# KiCad board reform2-keyboard3.kicad_pcb
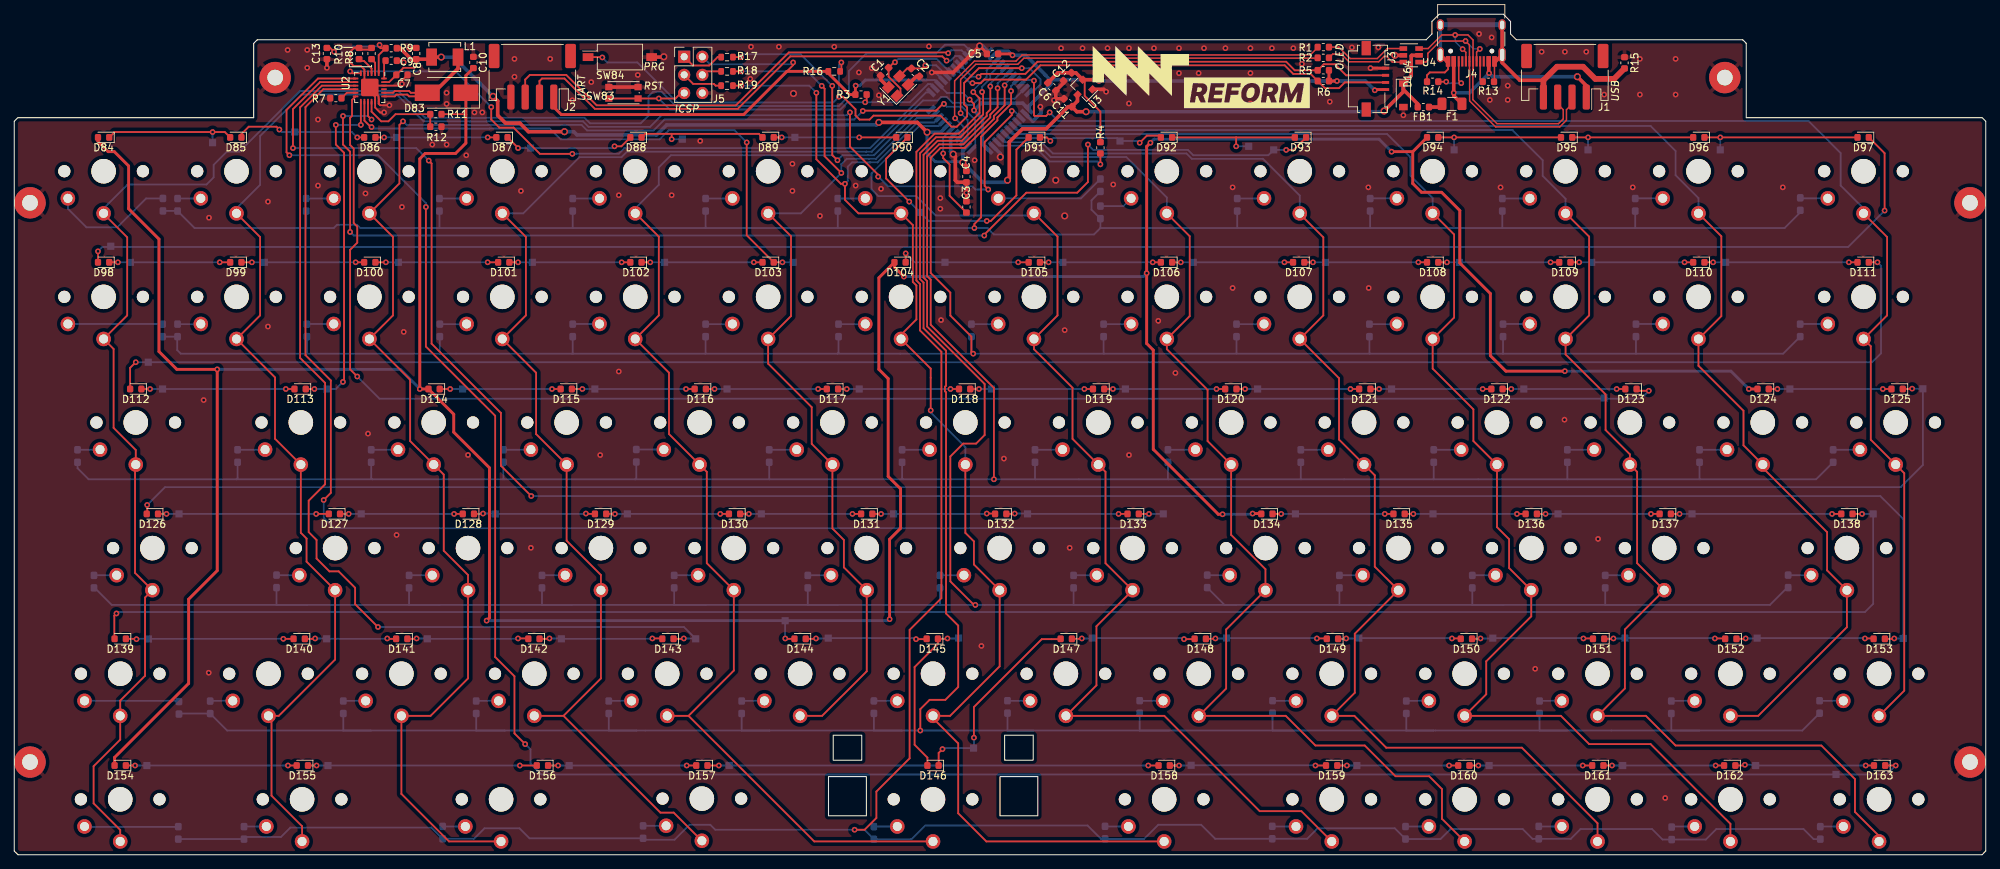
[diagram p0: board, top side]
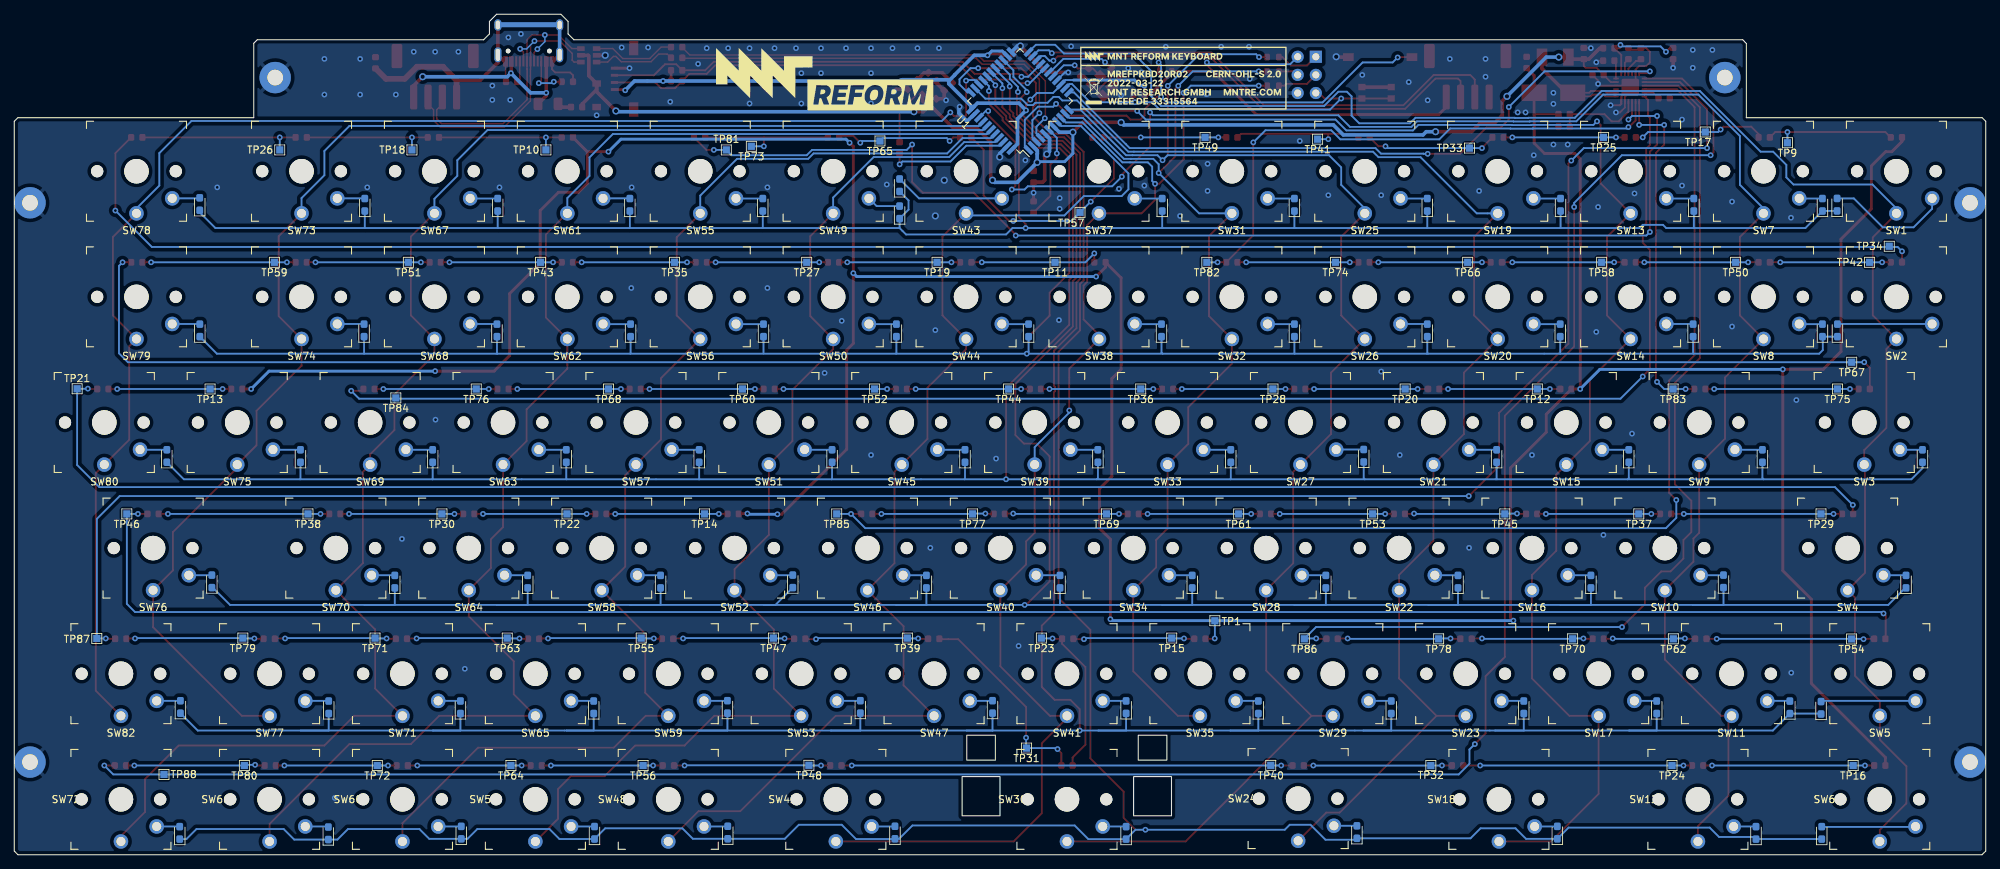
[diagram p1: board, bottom side, seen from below]

Outline 275.9 x 117.75 mm; copper layers: Top, Bottom. Coordinates in mm from the lower left corner of the outline.
Outline path: rectangle 113.95,10.95 119.25,5.45 ; rectangle 114.6,16.75 118.6,13.25 ; rectangle 137.95,10.95 143.25,5.45 ; rectangle 138.6,16.75 142.6,13.25 ; 0,102.76 0.5,103.26 33.5,103.26 33.5,113.66 34.01,114.18 197.58,114.18 198.4,115 198.4,116.75 199.4,117.75 208.4,117.75 209.4,116.75 209.4,115 210.22,114.18 241.89,114.18 242.39,113.68 242.39,103.26 275.4,103.26 275.9,102.76 275.9,0.52 275.39,0 0.52,0 0,0.51 0,102.76
Stack: Top 0.035mm / dielectric 1.51mm FR4 er 4.5 / Bottom 0.035mm

## Placement (name value [footprint] x y rotation side)
C1  18pF  [C_0603_1608Metric]  121.8 109.7 225 top
C2  18pF  [C_0603_1608Metric]  126.1 109.6 315 top
C3  1uF  [C_0603_1608Metric]  133.25 90.75 90 top
C4  0.1uF  [C_0603_1608Metric]  133.25 95 270 top
C5  1uF  [C_0603_1608Metric]  136.9 112.2 180 top
C6  0.1uF  [C_0603_1608Metric]  145.2 107.6 315 top
C7  4.7uF  [C_0603_1608Metric]  54.25 109.25 0 top
C8  1uF  [C_0603_1608Metric]  56.25 112.25 90 top
C9  1uF  [C_0603_1608Metric]  52.75 111.25 0 top
C10  4.7uF  [C_0603_1608Metric]  64.25 111 90 top
C11  1uF  [C_0603_1608Metric]  147.44 105.36 135 top
C12  1uF  [C_0603_1608Metric]  147.4 109 225 top
C13  1uF  [C_0603_1608Metric]  43.75 112.25 270 top
D1  MMDL914T1G  [D_0603_1608Metric_Pad1.05x0.95mm_HandSolder]  20.8 91.08 90 bottom
D2  MMDL914T1G  [D_0603_1608Metric_Pad1.05x0.95mm_HandSolder]  20.75 73.46 90 bottom
D3  MMDL914T1G  [D_0603_1608Metric_Pad1.05x0.95mm_HandSolder]  8.85 55.86 90 bottom
D4  MMDL914T1G  [D_0603_1608Metric_Pad1.05x0.95mm_HandSolder]  11.15 38.26 90 bottom
D5  MMDL914T1G  [D_0603_1608Metric_Pad1.05x0.95mm_HandSolder]  23.04 20.58 90 bottom
D6  MMDL914T1G  [D_0603_1608Metric_Pad1.05x0.95mm_HandSolder]  22.95 3.06 90 bottom
D7  MMDL914T1G  [D_0603_1608Metric_Pad1.05x0.95mm_HandSolder]  22.85 91.06 90 bottom
D8  MMDL914T1G  [D_0603_1608Metric_Pad1.05x0.95mm_HandSolder]  22.85 73.46 90 bottom
D9  MMDL914T1G  [D_0603_1608Metric_Pad1.05x0.95mm_HandSolder]  31.25 55.86 90 bottom
D10  MMDL914T1G  [D_0603_1608Metric_Pad1.05x0.95mm_HandSolder]  36.7 38.3 90 bottom
D11  MMDL914T1G  [D_0603_1608Metric_Pad1.05x0.95mm_HandSolder]  27.41 20.65 90 bottom
D12  MMDL914T1G  [D_0603_1608Metric_Pad1.05x0.95mm_HandSolder]  32.15 3.06 90 bottom
D13  MMDL914T1G  [D_0603_1608Metric_Pad1.05x0.95mm_HandSolder]  40.85 91.06 90 bottom
D14  MMDL914T1G  [D_0603_1608Metric_Pad1.05x0.95mm_HandSolder]  40.95 73.46 90 bottom
D15  MMDL914T1G  [D_0603_1608Metric_Pad1.05x0.95mm_HandSolder]  49.95 55.86 90 bottom
D16  MMDL914T1G  [D_0603_1608Metric_Pad1.05x0.95mm_HandSolder]  55.25 38.26 90 bottom
D17  MMDL914T1G  [D_0603_1608Metric_Pad1.05x0.95mm_HandSolder]  46.05 20.66 90 bottom
D18  MMDL914T1G  [D_0603_1608Metric_Pad1.05x0.95mm_HandSolder]  59.95 3.1 90 bottom
D19  MMDL914T1G  [D_0603_1608Metric_Pad1.05x0.95mm_HandSolder]  59.5 91.06 90 bottom
D20  MMDL914T1G  [D_0603_1608Metric_Pad1.05x0.95mm_HandSolder]  59.55 73.46 90 bottom
D21  MMDL914T1G  [D_0603_1608Metric_Pad1.05x0.95mm_HandSolder]  68.45 55.86 90 bottom
D22  MMDL914T1G  [D_0603_1608Metric_Pad1.05x0.95mm_HandSolder]  73.85 38.26 90 bottom
D23  MMDL914T1G  [D_0603_1608Metric_Pad1.05x0.95mm_HandSolder]  64.65 20.66 90 bottom
D24  MMDL914T1G  [D_0603_1608Metric_Pad1.05x0.95mm_HandSolder]  88 3.18 90 bottom
D25  MMDL914T1G  [D_0603_1608Metric_Pad1.05x0.95mm_HandSolder]  78.15 91.06 90 bottom
D26  MMDL914T1G  [D_0603_1608Metric_Pad1.05x0.95mm_HandSolder]  78.15 73.46 90 bottom
D27  MMDL914T1G  [D_0603_1608Metric_Pad1.05x0.95mm_HandSolder]  87.05 55.9 90 bottom
D28  MMDL914T1G  [D_0603_1608Metric_Pad1.05x0.95mm_HandSolder]  92.35 38.26 90 bottom
D29  MMDL914T1G  [D_0603_1608Metric_Pad1.05x0.95mm_HandSolder]  83.2 20.66 90 bottom
D30  MMDL914T1G  [D_0603_1608Metric_Pad1.05x0.95mm_HandSolder]  120.3 3.06 90 bottom
D31  MMDL914T1G  [D_0603_1608Metric_Pad1.05x0.95mm_HandSolder]  96.75 91.06 90 bottom
D32  MMDL914T1G  [D_0603_1608Metric_Pad1.05x0.95mm_HandSolder]  96.75 73.46 90 bottom
D33  MMDL914T1G  [D_0603_1608Metric_Pad1.05x0.95mm_HandSolder]  105.65 55.86 90 bottom
D34  MMDL914T1G  [D_0603_1608Metric_Pad1.05x0.95mm_HandSolder]  111.05 38.26 90 bottom
D35  MMDL914T1G  [D_0603_1608Metric_Pad1.05x0.95mm_HandSolder]  101.8 20.66 90 bottom
D37  MMDL914T1G  [D_0603_1608Metric_Pad1.05x0.95mm_HandSolder]  115.25 91.06 90 bottom
D38  MMDL914T1G  [D_0603_1608Metric_Pad1.05x0.95mm_HandSolder]  115.35 73.46 90 bottom
D39  MMDL914T1G  [D_0603_1608Metric_Pad1.05x0.95mm_HandSolder]  124.25 55.86 90 bottom
D40  MMDL914T1G  [D_0603_1608Metric_Pad1.05x0.95mm_HandSolder]  129.55 38.26 90 bottom
D41  MMDL914T1G  [D_0603_1608Metric_Pad1.05x0.95mm_HandSolder]  120.3 20.67 90 bottom
D42  MMDL914T1G  [D_0603_1608Metric_Pad1.05x0.95mm_HandSolder]  152.65 3.11 90 bottom
D43  MMDL914T1G  [D_0603_1608Metric_Pad1.05x0.95mm_HandSolder]  152 93.8 90 bottom
D44  MMDL914T1G  [D_0603_1608Metric_Pad1.05x0.95mm_HandSolder]  133.95 73.46 90 bottom
D45  MMDL914T1G  [D_0603_1608Metric_Pad1.05x0.95mm_HandSolder]  142.85 55.86 90 bottom
D46  MMDL914T1G  [D_0603_1608Metric_Pad1.05x0.95mm_HandSolder]  148.25 38.26 90 bottom
D47  MMDL914T1G  [D_0603_1608Metric_Pad1.05x0.95mm_HandSolder]  139 20.71 90 bottom
D48  MMDL914T1G  [D_0603_1608Metric_Pad1.05x0.95mm_HandSolder]  176.05 3.11 90 bottom
D49  MMDL914T1G  [D_0603_1608Metric_Pad1.05x0.95mm_HandSolder]  152 90 90 bottom
D50  MMDL914T1G  [D_0603_1608Metric_Pad1.05x0.95mm_HandSolder]  152.45 73.46 90 bottom
D51  MMDL914T1G  [D_0603_1608Metric_Pad1.05x0.95mm_HandSolder]  161.45 55.86 90 bottom
D52  MMDL914T1G  [D_0603_1608Metric_Pad1.05x0.95mm_HandSolder]  166.95 38.3 90 bottom
D53  MMDL914T1G  [D_0603_1608Metric_Pad1.05x0.95mm_HandSolder]  157.5 20.71 90 bottom
D54  MMDL914T1G  [D_0603_1608Metric_Pad1.05x0.95mm_HandSolder]  194.7 3.07 90 bottom
D55  MMDL914T1G  [D_0603_1608Metric_Pad1.05x0.95mm_HandSolder]  171.15 91.06 90 bottom
D56  MMDL914T1G  [D_0603_1608Metric_Pad1.05x0.95mm_HandSolder]  171.05 73.46 90 bottom
D57  MMDL914T1G  [D_0603_1608Metric_Pad1.05x0.95mm_HandSolder]  180.05 55.86 90 bottom
D58  MMDL914T1G  [D_0603_1608Metric_Pad1.05x0.95mm_HandSolder]  185.45 38.26 90 bottom
D59  MMDL914T1G  [D_0603_1608Metric_Pad1.05x0.95mm_HandSolder]  176.1 20.71 90 bottom
D60  MMDL914T1G  [D_0603_1608Metric_Pad1.05x0.95mm_HandSolder]  213.35 3.1 90 bottom
D61  MMDL914T1G  [D_0603_1608Metric_Pad1.05x0.95mm_HandSolder]  189.75 91.06 90 bottom
D62  MMDL914T1G  [D_0603_1608Metric_Pad1.05x0.95mm_HandSolder]  189.65 73.46 90 bottom
D63  MMDL914T1G  [D_0603_1608Metric_Pad1.05x0.95mm_HandSolder]  198.65 55.86 90 bottom
D64  MMDL914T1G  [D_0603_1608Metric_Pad1.05x0.95mm_HandSolder]  204.05 38.26 90 bottom
D65  MMDL914T1G  [D_0603_1608Metric_Pad1.05x0.95mm_HandSolder]  194.81 20.66 90 bottom
D66  MMDL914T1G  [D_0603_1608Metric_Pad1.05x0.95mm_HandSolder]  231.95 3 90 bottom
D67  MMDL914T1G  [D_0603_1608Metric_Pad1.05x0.95mm_HandSolder]  208.25 91.06 90 bottom
D68  MMDL914T1G  [D_0603_1608Metric_Pad1.05x0.95mm_HandSolder]  208.35 73.46 90 bottom
D69  MMDL914T1G  [D_0603_1608Metric_Pad1.05x0.95mm_HandSolder]  217.35 55.86 90 bottom
D70  MMDL914T1G  [D_0603_1608Metric_Pad1.05x0.95mm_HandSolder]  222.65 38.26 90 bottom
D71  MMDL914T1G  [D_0603_1608Metric_Pad1.05x0.95mm_HandSolder]  213.46 20.66 90 bottom
D72  MMDL914T1G  [D_0603_1608Metric_Pad1.05x0.95mm_HandSolder]  252.75 3.06 90 bottom
D73  MMDL914T1G  [D_0603_1608Metric_Pad1.05x0.95mm_HandSolder]  226.85 91.06 90 bottom
D74  MMDL914T1G  [D_0603_1608Metric_Pad1.05x0.95mm_HandSolder]  226.95 73.46 90 bottom
D75  MMDL914T1G  [D_0603_1608Metric_Pad1.05x0.95mm_HandSolder]  235.85 55.86 90 bottom
D76  MMDL914T1G  [D_0603_1608Metric_Pad1.05x0.95mm_HandSolder]  248.25 38.3 90 bottom
D77  MMDL914T1G  [D_0603_1608Metric_Pad1.05x0.95mm_HandSolder]  231.9 20.66 90 bottom
D78  MMDL914T1G  [D_0603_1608Metric_Pad1.05x0.95mm_HandSolder]  249.95 91.16 90 bottom
D79  MMDL914T1G  [D_0603_1608Metric_Pad1.05x0.95mm_HandSolder]  249.93 73.46 90 bottom
D80  MMDL914T1G  [D_0603_1608Metric_Pad1.05x0.95mm_HandSolder]  254.55 55.86 90 bottom
D82  MMDL914T1G  [D_0603_1608Metric_Pad1.05x0.95mm_HandSolder]  252.65 20.7 90 bottom
D83  B250-13-F  [D_SMB_Handsoldering]  60.5 106.75 180 top
D84  WLED  [LED_0603_1608Metric]  12.5 100.5 180 top
D85  WLED  [LED_0603_1608Metric]  31 100.5 180 top
D86  WLED  [LED_0603_1608Metric]  49.75 100.5 180 top
D87  WLED  [LED_0603_1608Metric]  68.25 100.5 180 top
D88  WLED  [LED_0603_1608Metric]  87 100.5 180 top
D89  WLED  [LED_0603_1608Metric]  105.5 100.5 180 top
D90  WLED  [LED_0603_1608Metric]  124.21 100.5 180 top
D91  WLED  [LED_0603_1608Metric]  142.75 100.5 180 top
D92  WLED  [LED_0603_1608Metric]  161.25 100.5 180 top
D93  WLED  [LED_0603_1608Metric]  180 100.5 180 top
D94  WLED  [LED_0603_1608Metric]  198.5 100.5 180 top
D95  WLED  [LED_0603_1608Metric]  217.25 100.5 180 top
D96  WLED  [LED_0603_1608Metric]  235.75 100.5 180 top
D97  WLED  [LED_0603_1608Metric]  258.75 100.5 180 top
D98  WLED  [LED_0603_1608Metric]  12.5 83 180 top
D99  WLED  [LED_0603_1608Metric]  31 83 180 top
D100  WLED  [LED_0603_1608Metric]  49.75 83 180 top
D101  WLED  [LED_0603_1608Metric]  68.5 83 180 top
D102  WLED  [LED_0603_1608Metric]  87 83 180 top
D103  WLED  [LED_0603_1608Metric]  105.5 83 180 top
D104  WLED  [LED_0603_1608Metric]  123.96 83 180 top
D105  WLED  [LED_0603_1608Metric]  142.75 83 180 top
D106  WLED  [LED_0603_1608Metric]  161.25 83 180 top
D107  WLED  [LED_0603_1608Metric]  179.75 83 180 top
D108  WLED  [LED_0603_1608Metric]  198.5 83 180 top
D109  WLED  [LED_0603_1608Metric]  217 83 180 top
D110  WLED  [LED_0603_1608Metric]  235.75 83 180 top
D111  WLED  [LED_0603_1608Metric]  258.75 83 180 top
D112  WLED  [LED_0603_1608Metric]  17 65.25 180 top
D113  WLED  [LED_0603_1608Metric]  40 65.25 180 top
D114  WLED  [LED_0603_1608Metric]  58.75 65.25 180 top
D115  WLED  [LED_0603_1608Metric]  77.25 65.25 180 top
D116  WLED  [LED_0603_1608Metric]  96 65.25 180 top
D117  WLED  [LED_0603_1608Metric]  114.5 65.25 180 top
D118  WLED  [LED_0603_1608Metric]  133 65.25 180 top
D119  WLED  [LED_0603_1608Metric]  151.75 65.25 180 top
D120  WLED  [LED_0603_1608Metric]  170.25 65.25 180 top
D121  WLED  [LED_0603_1608Metric]  189 65.25 180 top
D122  WLED  [LED_0603_1608Metric]  207.5 65.25 180 top
D123  WLED  [LED_0603_1608Metric]  226.25 65.25 180 top
D124  WLED  [LED_0603_1608Metric]  244.75 65.25 180 top
D125  WLED  [LED_0603_1608Metric]  263.5 65.25 180 top
D126  WLED  [LED_0603_1608Metric]  19.32 47.75 180 top
D127  WLED  [LED_0603_1608Metric]  44.8 47.75 180 top
D128  WLED  [LED_0603_1608Metric]  63.55 47.75 180 top
D129  WLED  [LED_0603_1608Metric]  82.05 47.75 180 top
D130  WLED  [LED_0603_1608Metric]  100.8 47.75 180 top
D131  WLED  [LED_0603_1608Metric]  119.3 47.75 180 top
D132  WLED  [LED_0603_1608Metric]  138.05 47.75 180 top
D133  WLED  [LED_0603_1608Metric]  156.59 47.75 180 top
D134  WLED  [LED_0603_1608Metric]  175.3 47.75 180 top
D135  WLED  [LED_0603_1608Metric]  193.8 47.75 180 top
D136  WLED  [LED_0603_1608Metric]  212.3 47.75 180 top
D137  WLED  [LED_0603_1608Metric]  231.05 47.75 180 top
D138  WLED  [LED_0603_1608Metric]  256.48 47.75 180 top
D139  WLED  [LED_0603_1608Metric]  14.82 30.25 180 top
D140  WLED  [LED_0603_1608Metric]  39.88 30.25 180 top
D141  WLED  [LED_0603_1608Metric]  54.23 30.25 180 top
D142  WLED  [LED_0603_1608Metric]  72.72 30.25 180 top
D143  WLED  [LED_0603_1608Metric]  91.47 30.25 180 top
D144  WLED  [LED_0603_1608Metric]  109.97 30.25 180 top
D145  WLED  [LED_0603_1608Metric]  128.47 30.25 180 top
D146  WLED  [LED_0603_1608Metric]  128.57 12.5 180 top
D147  WLED  [LED_0603_1608Metric]  147.22 30.25 180 top
D148  WLED  [LED_0603_1608Metric]  165.97 30.25 180 top
D149  WLED  [LED_0603_1608Metric]  184.47 30.25 180 top
D150  WLED  [LED_0603_1608Metric]  203.22 30.25 180 top
D151  WLED  [LED_0603_1608Metric]  221.72 30.25 180 top
D152  WLED  [LED_0603_1608Metric]  240.22 30.25 180 top
D153  WLED  [LED_0603_1608Metric]  261 30.25 180 top
D154  WLED  [LED_0603_1608Metric]  14.82 12.5 180 top
D155  WLED  [LED_0603_1608Metric]  40.31 12.5 180 top
D156  WLED  [LED_0603_1608Metric]  73.91 12.5 180 top
D157  WLED  [LED_0603_1608Metric]  96.22 12.5 180 top
D158  WLED  [LED_0603_1608Metric]  160.93 12.5 180 top
D159  WLED  [LED_0603_1608Metric]  184.36 12.5 180 top
D160  WLED  [LED_0603_1608Metric]  202.86 12.5 180 top
D161  WLED  [LED_0603_1608Metric]  221.61 12.5 180 top
D162  WLED  [LED_0603_1608Metric]  240.07 12.5 180 top
D163  WLED  [LED_0603_1608Metric]  261.05 12.5 180 top
D164  BZT52-B5V6J  [D_SOD-123]  194.4 106.4 270 top
F1  0ZCJ0075AF2E  [R_1206_3216Metric]  201.2 105.2 180 top
FB1  BLM18PG221SH1D  [L_0603_1608Metric]  197.2 104.75 0 top
GFX1  MNT  [mntreform]  166.1 108.95 0 top
GFX2  MNT  [mntreform]  162.5 108.65 180 bottom
GFX3  MNT  [mnt-reform-keyboard-r2-badge]  112.3 108.8 180 bottom
H1  MH1  [MountingHole_2.2mm_M2_Pad]  2.2 91.34 0 top
H2  MH2  [MountingHole_2.2mm_M2_Pad]  273.7 91.34 0 top
H3  MH3  [MountingHole_2.2mm_M2_Pad]  2.2 12.98 0 top
H4  MH4  [MountingHole_2.2mm_M2_Pad]  273.7 12.98 0 top
H5  MH5  [MountingHole_2.2mm_M2_Pad]  36.51 108.88 0 top
H6  MH6  [MountingHole_2.2mm_M2_Pad]  239.39 108.88 0 top
J1  USB  [JST_PH_S4B-PH-SM4-TB_1x04-1MP_P2.00mm_Horizontal]  217 109 180 top
J2  UART  [JST_PH_S4B-PH-SM4-TB_1x04-1MP_P2.00mm_Horizontal]  72.5 109 180 top
J3  AUX  [Molex_200528-0040_1x04-1MP_P1.00mm_Horizontal]  191 108.7 270 top
J4  USB_C_Receptacle_USB2.0  [USB_C_Receptacle_HRO_TYPE-C-31-M-12]  203.9 115.2 180 top
J5  AVR-ISP-6  [PinHeader_2x03_P2.54mm_Vertical]  93.75 111.8 0 top
L1  10uH  [IND_SRP4020TA-150M]  60.25 111.75 0 top
R1  22  [R_0603_1608Metric]  183.2 113.15 0 top
R2  22  [R_0603_1608Metric]  183.2 111.65 0 top
R3  10k  [R_0603_1608Metric]  118.5 106.5 0 top
R4  0  [R_0603_1608Metric]  152 99.04 90 top
R5  4.7k  [R_0603_1608Metric]  183.2 109.9 180 top
R6  4.7k  [R_0603_1608Metric]  183.2 108.4 180 top
R7  62K  [R_0603_1608Metric]  45 106 180 top
R8  604K  [R_0603_1608Metric]  50 112.25 90 top
R9  4.7k  [R_0603_1608Metric]  52.75 113 180 top
R10  715K  [R_0603_1608Metric]  48.25 112.25 90 top
R11  1M  [R_0603_1608Metric]  59 103.75 180 top
R12  54.9K  [R_0603_1608Metric]  59 102 0 top
R13  5.1k  [R_0603_1608Metric]  206.3 108.3 180 top
R14  5.1k  [R_0603_1608Metric]  198.5 108.3 180 top
R15  0  [R_0603_1608Metric]  225.35 110.95 270 top
R16  10k  [R_0603_1608Metric#2]  114.75 109.75 0 top
R17  22  [R_0603_1608Metric#2]  99.75 111.75 180 top
R18  22  [R_0603_1608Metric#2]  99.75 109.75 180 top
R19  22  [R_0603_1608Metric#2]  99.75 107.75 180 top
SW1  Choc  [PG1350]  12.5 95.76 0 top
SW2  Choc  [PG1350]  12.5 78.16 0 top
SW3  Choc  [PG1350]  17 60.56 0 top
SW4  Choc  [PG1350]  19.32 42.96 0 top
SW5  Choc  [PG1350]  14.82 25.36 0 top
SW6  Choc  [PG1350]  14.82 7.76 0 top
SW7  Choc  [PG1350]  31.1 95.76 0 top
SW8  Choc  [PG1350]  31.1 78.16 0 top
SW9  Choc  [PG1350]  40.1 60.56 0 top
SW10  Choc  [PG1350]  44.9 42.96 0 top
SW11  Choc  [PG1350]  35.58 25.36 0 top
SW12  Choc  [PG1350]  40.27 7.76 0 top
SW13  Choc  [PG1350]  49.7 95.76 0 top
SW14  Choc  [PG1350]  49.7 78.16 0 top
SW15  Choc  [PG1350]  58.7 60.56 0 top
SW16  Choc  [PG1350]  63.5 42.96 0 top
SW17  Choc  [PG1350]  54.17 25.36 0 top
SW18  Choc  [PG1350]  68.12 7.76 0 top
SW19  Choc  [PG1350]  68.3 95.76 0 top
SW20  Choc  [PG1350]  68.3 78.16 0 top
SW21  Choc  [PG1350]  77.3 60.56 0 top
SW22  Choc  [PG1350]  82.1 42.96 0 top
SW23  Choc  [PG1350]  72.78 25.36 0 top
SW24  Choc  [PG1350]  96.22 7.86 0 top
SW25  Choc  [PG1350]  86.9 95.76 0 top
SW26  Choc  [PG1350]  86.9 78.16 0 top
SW27  Choc  [PG1350]  95.9 60.56 0 top
SW28  Choc  [PG1350]  100.7 42.96 0 top
SW29  Choc  [PG1350]  91.38 25.36 0 top
SW30  Choc  [PG1350]  128.57 7.76 0 top
SW31  Choc  [PG1350]  105.5 95.76 0 top
SW32  Choc  [PG1350]  105.5 78.16 0 top
SW33  Choc  [PG1350]  114.5 60.56 0 top
SW34  Choc  [PG1350]  119.3 42.96 0 top
SW35  Choc  [PG1350]  109.97 25.36 0 top
SW37  Choc  [PG1350]  124.1 95.76 0 top
SW38  Choc  [PG1350]  124.1 78.16 0 top
SW39  Choc  [PG1350]  133.1 60.56 0 top
SW40  Choc  [PG1350]  137.9 42.96 0 top
SW41  Choc  [PG1350]  128.57 25.36 0 top
SW42  Choc  [PG1350]  160.93 7.76 0 top
SW43  Choc  [PG1350]  142.7 95.76 0 top
SW44  Choc  [PG1350]  142.7 78.16 0 top
SW45  Choc  [PG1350]  151.7 60.56 0 top
SW46  Choc  [PG1350]  156.5 42.96 0 top
SW47  Choc  [PG1350]  147.18 25.36 0 top
SW48  Choc  [PG1350]  184.38 7.76 0 top
SW49  Choc  [PG1350]  161.3 95.76 0 top
SW50  Choc  [PG1350]  161.3 78.16 0 top
SW51  Choc  [PG1350]  170.3 60.56 0 top
SW52  Choc  [PG1350]  175.1 42.96 0 top
SW53  Choc  [PG1350]  165.78 25.36 0 top
SW54  Choc  [PG1350]  202.97 7.76 0 top
SW55  Choc  [PG1350]  179.9 95.76 0 top
SW56  Choc  [PG1350]  179.9 78.16 0 top
SW57  Choc  [PG1350]  188.9 60.56 0 top
SW58  Choc  [PG1350]  193.7 42.96 0 top
SW59  Choc  [PG1350]  184.38 25.36 0 top
SW60  Choc  [PG1350]  221.57 7.76 0 top
SW61  Choc  [PG1350]  198.5 95.76 0 top
SW62  Choc  [PG1350]  198.5 78.16 0 top
SW63  Choc  [PG1350]  207.5 60.56 0 top
SW64  Choc  [PG1350]  212.3 42.96 0 top
SW65  Choc  [PG1350]  202.97 25.36 0 top
SW66  Choc  [PG1350]  240.18 7.76 0 top
SW67  Choc  [PG1350]  217.1 95.76 0 top
SW68  Choc  [PG1350]  217.1 78.16 0 top
SW69  Choc  [PG1350]  226.1 60.56 0 top
SW70  Choc  [PG1350]  230.9 42.96 0 top
SW71  Choc  [PG1350]  221.57 25.36 0 top
SW72  Choc  [PG1350]  260.98 7.76 0 top
SW73  Choc  [PG1350]  235.7 95.76 0 top
SW74  Choc  [PG1350]  235.7 78.16 0 top
SW75  Choc  [PG1350]  244.7 60.56 0 top
SW76  Choc  [PG1350]  256.48 42.96 0 top
SW77  Choc  [PG1350]  240.18 25.36 0 top
SW78  Choc  [PG1350]  258.8 95.76 0 top
SW79  Choc  [PG1350]  258.8 78.16 0 top
SW80  Choc  [PG1350]  263.3 60.56 0 top
SW82  Choc  [PG1350]  260.98 25.36 0 top
SW83  RESET  [SW_Push_1P1T_NO_CK_KMR2]  85.25 106.75 180 top
SW84  SW_DIP_x01  [SW_DIP_SPSTx01_Slide_Omron_A6S-110x_W8.9mm_P2.54mm]  84.75 111.75 0 top
TP1  TP  [TestPoint_Pad_1.0x1.0mm]  107.88 32.78 0 bottom
TP9  TP  [TestPoint_Pad_1.0x1.0mm]  27.75 99.75 0 bottom
TP10  TP  [TestPoint_Pad_1.0x1.0mm]  201.5 98.75 0 bottom
TP11  TP  [TestPoint_Pad_1.0x1.0mm]  130.25 83 0 bottom
TP12  TP  [TestPoint_Pad_1.0x1.0mm]  62.75 65.25 0 bottom
TP13  TP  [TestPoint_Pad_1.0x1.0mm]  248.5 65.25 0 bottom
TP14  TP  [TestPoint_Pad_1.0x1.0mm]  179.3 47.75 0 bottom
TP15  TP  [TestPoint_Pad_1.0x1.0mm]  113.91 30.35 0 bottom
TP16  TP  [TestPoint_Pad_1.0x1.0mm]  18.55 12.5 0 bottom
TP17  TP  [TestPoint_Pad_1.0x1.0mm]  39.25 101.25 0 bottom
TP18  TP  [TestPoint_Pad_1.0x1.0mm]  220.25 98.75 0 bottom
TP19  TP  [TestPoint_Pad_1.0x1.0mm]  146.75 83 0 bottom
TP20  TP  [TestPoint_Pad_1.0x1.0mm]  81.25 65.25 0 bottom
TP21  TP  [TestPoint_Pad_1.0x1.0mm]  267.11 65.28 180 bottom
TP22  TP  [TestPoint_Pad_1.0x1.0mm]  198.55 47.75 0 bottom
TP23  TP  [TestPoint_Pad_1.0x1.0mm]  132.16 30.35 0 bottom
TP24  TP  [TestPoint_Pad_1.0x1.0mm]  43.9 12.5 0 bottom
TP25  TP  [TestPoint_Pad_1.0x1.0mm]  53.5 100.5 0 bottom
TP26  TP  [TestPoint_Pad_1.0x1.0mm]  238.75 98.75 0 bottom
TP27  TP  [TestPoint_Pad_1.0x1.0mm]  165 83 0 bottom
TP28  TP  [TestPoint_Pad_1.0x1.0mm]  99.75 65.25 0 bottom
TP29  TP  [TestPoint_Pad_1.0x1.0mm]  23.05 47.75 0 bottom
TP30  TP  [TestPoint_Pad_1.0x1.0mm]  216.05 47.75 0 bottom
TP31  TP  [TestPoint_Pad_1.0x1.0mm]  134.25 14.94 0 bottom
TP32  TP  [TestPoint_Pad_1.0x1.0mm]  77.66 12.49 180 bottom
TP33  TP  [TestPoint_Pad_1.0x1.0mm]  72.25 99 0 bottom
TP34  TP  [TestPoint_Pad_1.0x1.0mm]  13.5 85.25 0 bottom
TP35  TP  [TestPoint_Pad_1.0x1.0mm]  183.5 83 0 bottom
TP36  TP  [TestPoint_Pad_1.0x1.0mm]  118.25 65.25 0 bottom
TP37  TP  [TestPoint_Pad_1.0x1.0mm]  48.55 47.75 0 bottom
TP38  TP  [TestPoint_Pad_1.0x1.0mm]  234.8 47.75 0 bottom
TP39  TP  [TestPoint_Pad_1.0x1.0mm]  150.91 30.35 0 bottom
TP40  TP  [TestPoint_Pad_1.0x1.0mm]  100.06 12.52 180 bottom
TP41  TP  [TestPoint_Pad_1.0x1.0mm]  93.5 100.25 0 bottom
TP42  TP  [TestPoint_Pad_1.0x1.0mm]  16.25 83 0 bottom
TP43  TP  [TestPoint_Pad_1.0x1.0mm]  202.25 83 0 bottom
TP44  TP  [TestPoint_Pad_1.0x1.0mm]  136.75 65.25 0 bottom
TP45  TP  [TestPoint_Pad_1.0x1.0mm]  67.3 47.75 0 bottom
TP46  TP  [TestPoint_Pad_1.0x1.0mm]  260.15 47.75 0 bottom
TP47  TP  [TestPoint_Pad_1.0x1.0mm]  169.66 30.35 0 bottom
TP48  TP  [TestPoint_Pad_1.0x1.0mm]  164.69 12.53 180 bottom
TP49  TP  [TestPoint_Pad_1.0x1.0mm]  109.25 100.5 0 bottom
TP50  TP  [TestPoint_Pad_1.0x1.0mm]  35 83 0 bottom
TP51  TP  [TestPoint_Pad_1.0x1.0mm]  220.75 83 0 bottom
TP52  TP  [TestPoint_Pad_1.0x1.0mm]  155.5 65.25 0 bottom
TP53  TP  [TestPoint_Pad_1.0x1.0mm]  85.8 47.75 0 bottom
TP54  TP  [TestPoint_Pad_1.0x1.0mm]  18.77 30.23 0 bottom
TP55  TP  [TestPoint_Pad_1.0x1.0mm]  188.16 30.35 0 bottom
TP56  TP  [TestPoint_Pad_1.0x1.0mm]  187.9 12.5 0 bottom
TP57  TP  [TestPoint_Pad_1.0x1.0mm]  126.75 90 0 bottom
TP58  TP  [TestPoint_Pad_1.0x1.0mm]  53.75 83 0 bottom
TP59  TP  [TestPoint_Pad_1.0x1.0mm]  239.5 83 0 bottom
TP60  TP  [TestPoint_Pad_1.0x1.0mm]  174 65.25 0 bottom
TP61  TP  [TestPoint_Pad_1.0x1.0mm]  104.55 47.75 0 bottom
TP62  TP  [TestPoint_Pad_1.0x1.0mm]  43.71 30.25 0 bottom
TP63  TP  [TestPoint_Pad_1.0x1.0mm]  206.91 30.35 0 bottom
TP64  TP  [TestPoint_Pad_1.0x1.0mm]  206.4 12.5 0 bottom
TP65  TP  [TestPoint_Pad_1.0x1.0mm]  154.75 100 0 bottom
TP66  TP  [TestPoint_Pad_1.0x1.0mm]  72.5 83 0 bottom
TP67  TP  [TestPoint_Pad_1.0x1.0mm]  18.75 69 0 bottom
TP68  TP  [TestPoint_Pad_1.0x1.0mm]  192.75 65.25 0 bottom
TP69  TP  [TestPoint_Pad_1.0x1.0mm]  123.05 47.75 0 bottom
TP70  TP  [TestPoint_Pad_1.0x1.0mm]  57.81 30.25 0 bottom
TP71  TP  [TestPoint_Pad_1.0x1.0mm]  225.41 30.35 0 bottom
TP72  TP  [TestPoint_Pad_1.0x1.0mm]  225.1 12.5 0 bottom